# Altium PCB HIL_RIG_REV_1_2.PcbDoc (part 10 of 14) (continued)
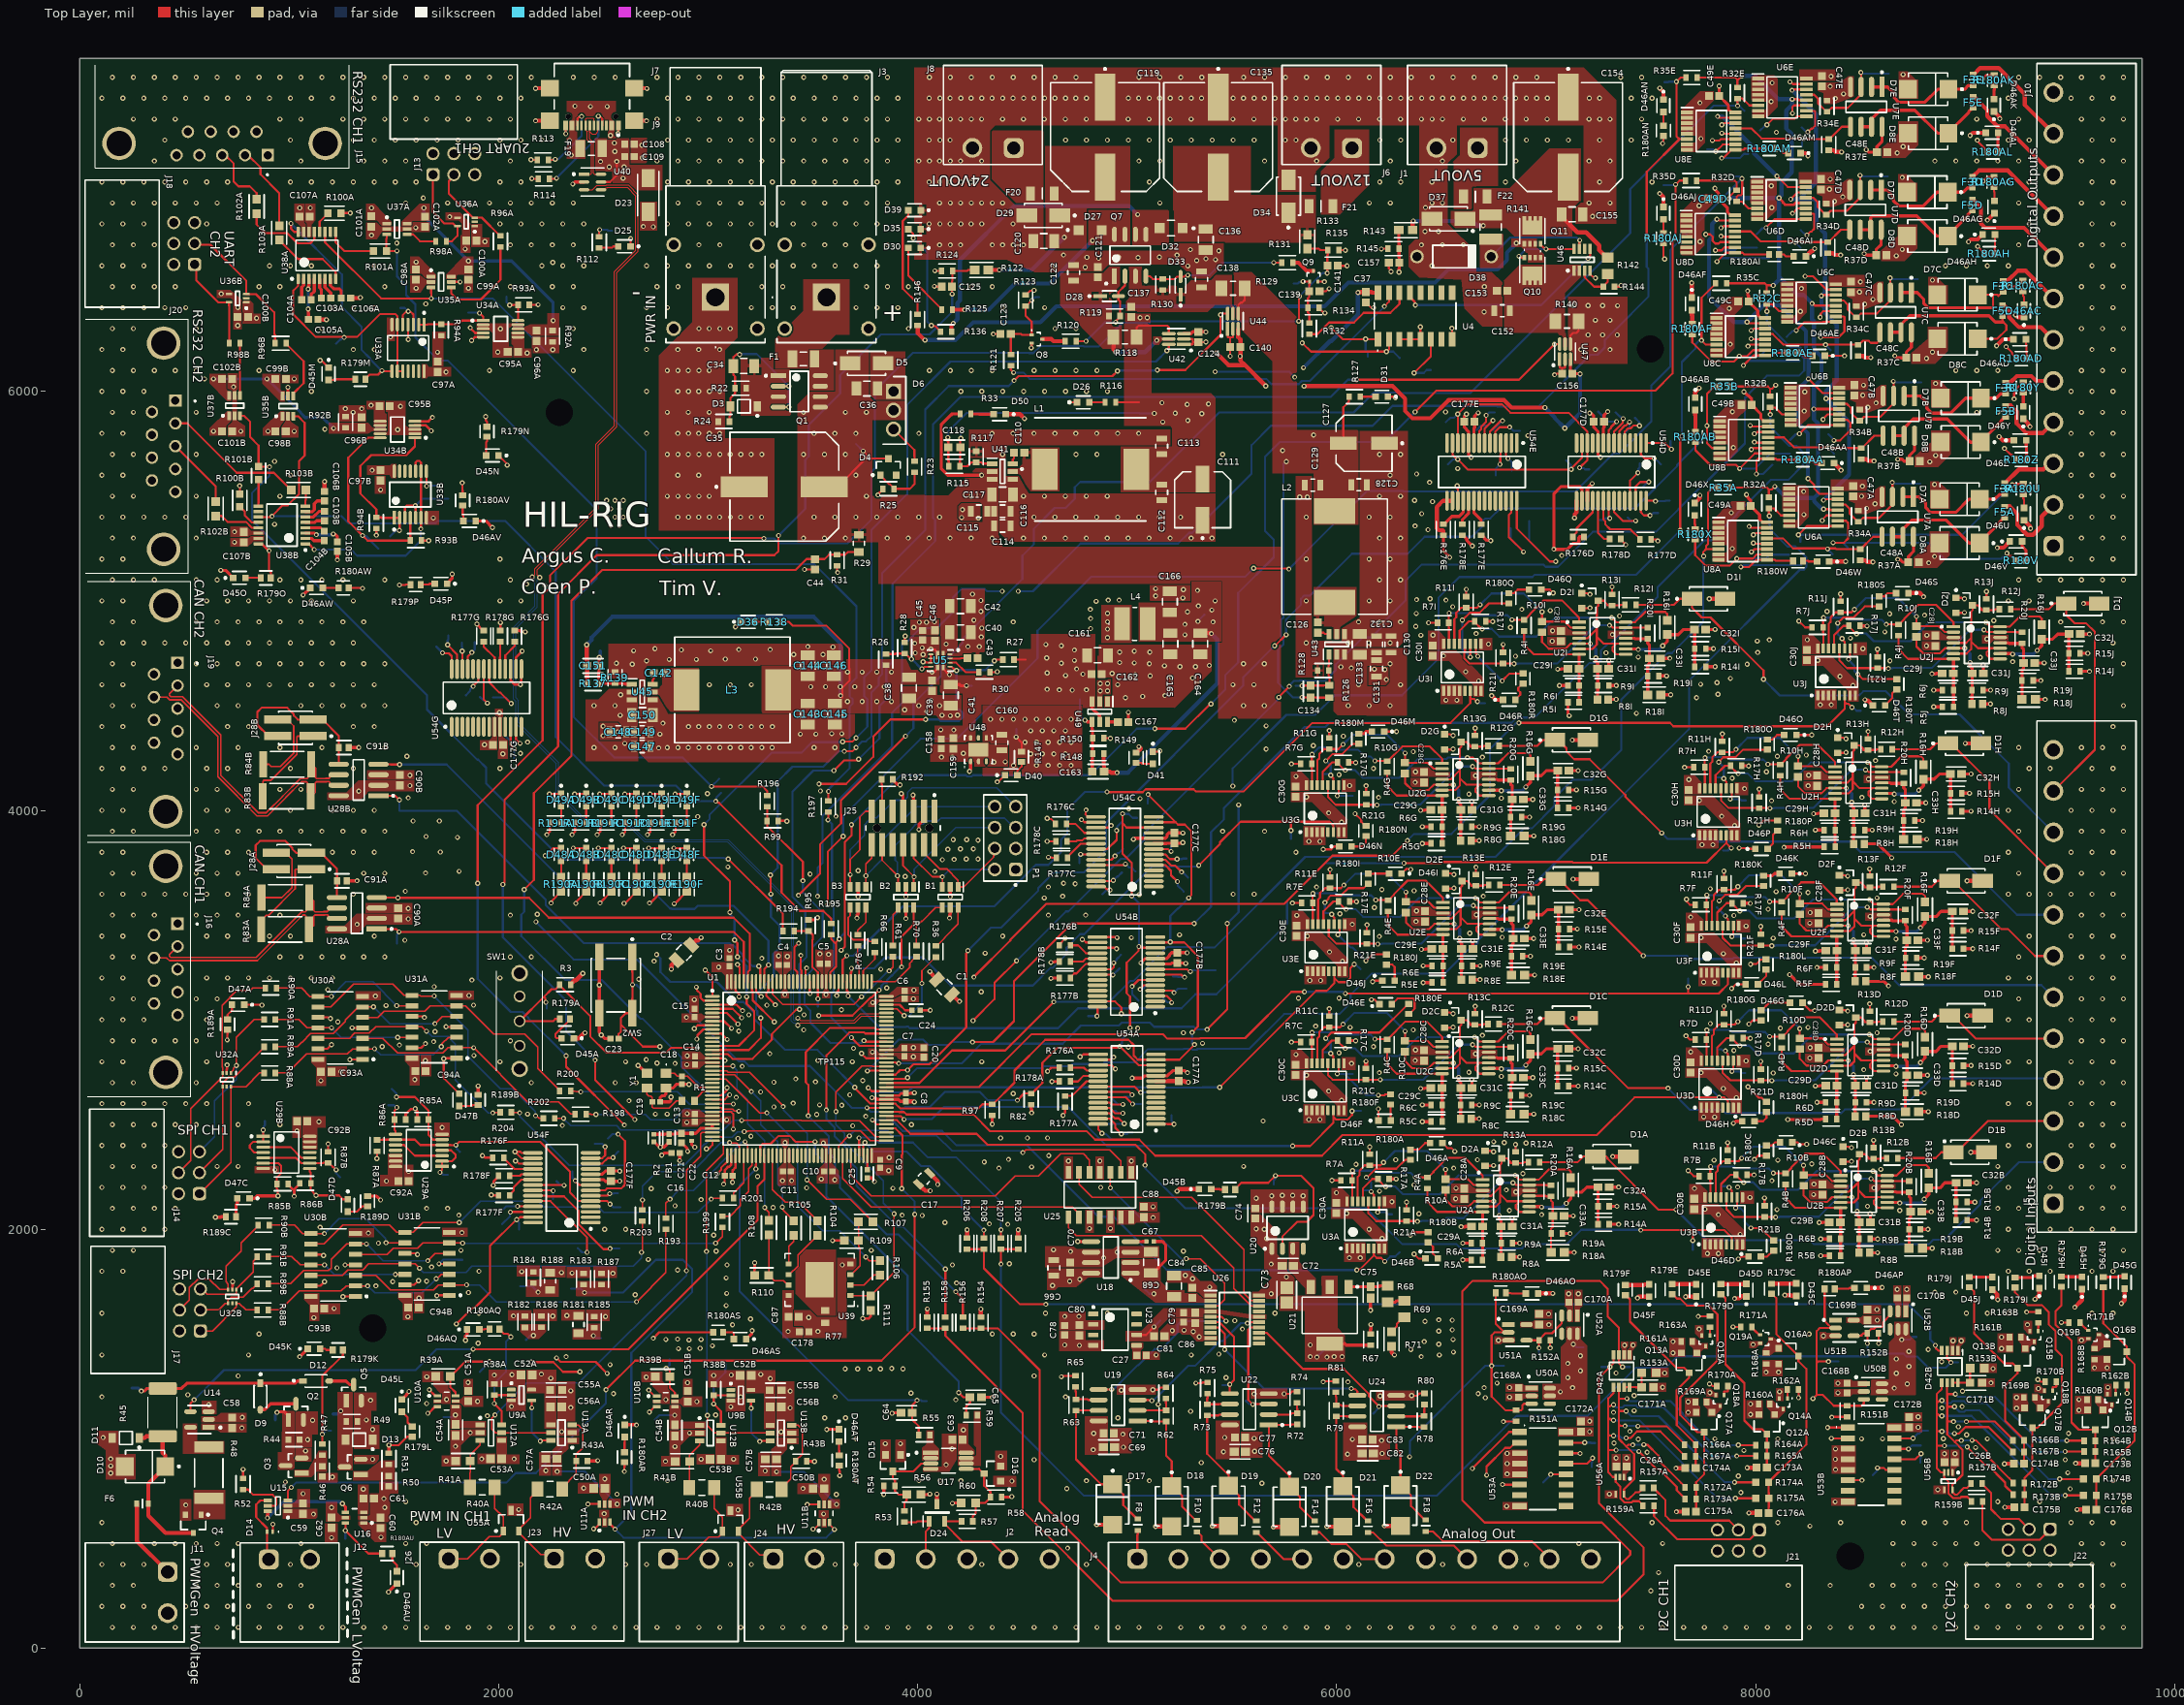
[diagram p0: Top Layer view]
## Nets (pads, with @x,y where several pads share a name; then routed paths per layer and width w, separated by ;. In a path a pad name is that pad's centre, name@x,y a point inside that pad or via, vN(x,y) a via of type N, cw(c..) or ccw(c..) an arc to the next point about the centre after c; other vN are vias at no path point) (continued)
IOex_INTBA: R178A.2 U54A.19 | length 144.5
  Top Layer w10: R178A.2@4728.64,2706 4764.94,2706 4791.72,2732.79 U54A.19@4862,2732.79
IOex_INTBB: R178B.2 U54B.19 | length 136.2
  Top Layer w10: R178B.2@4728.64,3278 4788.73,3278 4803.51,3292.79 U54B.19@4858.76,3292.79
IOex_INTBC: R178C.2 U54C.19 | length 144.9
  Top Layer w10: R178C.2@4712.64,3852 4756.67,3852 4761.87,3857.2 4786.57,3857.2 4796.16,3866.79 U54C.19@4851.41,3866.79
IOex_INTBD: R178D.2 U54D.19 | length 220.6
  Top Layer w10: U54D.19@7247.69,5478 7247.69,5325.14 7276.83,5296 R178D.2@7303.36,5296
IOex_INTBE: R178E.2 U54E.19 | length 123.7
  Top Layer w15: R178E.2@6600,5366.64 6600,5387.61 6629.69,5417.29 U54E.19@6629.69,5478
IOex_INTBF: R178F.2 U54F.19 | length 113.9
  Top Layer w10: R178F.2@2052.64,2256 2101.73,2256 2108.51,2262.79 U54F.19@2163.76,2262.79
IOex_INTBG: R178G.2 U54G.19 | length 131.3
  Top Layer w10: U54G.19@2005.98,4674.8 2005.98,4730.04 2007.79,4731.85 R178G.2@2007.79,4805.36
IOex_nRESETA: R176A.1 U54A.18 | length 139
  Top Layer w10: R176A.1@4728.64,2772 4793.13,2772 4806.76,2758.38 U54A.18@4862,2758.38
IOex_nRESETB: R176B.1 U54B.18 | length 145.7
  Top Layer w10: R176B.1@4728.64,3356 4765.89,3356 4803.51,3318.38 U54B.18@4858.76,3318.38
IOex_nRESETC: R176C.1 U54C.18 | length 158.8
  Top Layer w10: R176C.1@4710.64,3936 4752.54,3936 4796.16,3892.38 U54C.18@4851.41,3892.38
IOex_nRESETD: R176D.1 U54D.18 | length 211.2
  Top Layer w10: R176D.1@7127.36,5306 7127.36,5309.02 7145.98,5327.64 7145.98,5346.64 7222.1,5422.76 U54D.18@7222.1,5478
IOex_nRESETE: R176E.1 U54E.18 | length 172.6
  Top Layer w15: R176E.1@6510,5366.64 6513.02,5366.64 6550.39,5404.01 6585.35,5404.01 6604.1,5422.76 U54E.18@6604.1,5478
IOex_nRESETF: R176F.1 U54F.18 | length 163.4
  Top Layer w10: R176F.1@2024.64,2342 2024.64,2338.98 2075.62,2288 2108.14,2288 2108.51,2288.38 U54F.18@2163.76,2288.38
IOex_nRESETG: R176G.1 U54G.18 | length 149
  Top Layer w10: U54G.18@2031.57,4674.8 2031.57,4739.96 2076,4784.39 R176G.1@2076,4805.36
LED_B_0: R191A.1 U1.2 | length 1570.8
  Top Layer w10: v1(2230,3884) 2244.72,3898.72 R191A.1@2244.72,3940 ; v1(2944,3156) 2946.68,3153.32 2946.68,3141.32 2964,3124 2964,3104.68 2976.57,3092.11 U1.2@3020,3092.11
  Int3 (Sign) w10: v1(2230,3884) 2197.08,3851.08 2197.08,3795.72 2197,3795.64 2197,3773.64 2310.64,3660 2812,3660 2910,3562 2910,3510 2858,3458 2858,3284 2944,3198 v1(2944,3156)
LED_B_1: R191B.1 U1.1 | length 1291.1
  Top Layer w10: v1(2350,3884) 2364.72,3898.72 R191B.1@2364.72,3940 ; v1(2986,3238) 3020,3204 U1.1@3020,3111.79
  Int3 (Sign) w10: v1(2350,3884) 2352.68,3881.32 2352.68,3871.32 2516,3708 2822,3708 2941,3589 2941,3283 2964,3260 v1(2986,3238)
LED_B_2: R191C.1 U1.142 | length 1361
  Top Layer w10: v1(2470,3884) 2484.72,3898.72 R191C.1@2484.72,3940 ; U1.142@3130.24,3182.66 3130.24,3139.23 3148,3121.46 v1(3148,3110)
  Int3 (Sign) w10: v1(2470,3884) 2598,3756 2878,3756 3011,3623 3011,3247 v1(3148,3110)
LED_B_3: R191D.1 U1.141 | length 1133.2
  Top Layer w10: v1(2590,3884) 2604.72,3898.72 R191D.1@2604.72,3940 ; v1(3140,3264) 3140,3260.21 3149.92,3250.29 U1.141@3149.92,3182.66
  Int3 (Sign) w10: v1(2590,3884) 2684,3790 2914,3790 3058,3646 3058,3340.64 3091.64,3307 3097,3307 v1(3140,3264)
LED_B_4: R191E.1 U1.137 | length 1253.6
  Top Layer w10: v1(2710,3884) 2724.72,3898.72 R191E.1@2724.72,3940 ; U1.137@3228.66,3182.66 3228.66,3135.73 v1(3253.15,3111.24)
  Int3 (Sign) w10: v1(2710,3884) 2776,3884 2804,3856 2929.59,3856 3217,3568.59 3217,3245.64 3253.15,3209.49 v1(3253.15,3111.24)
LED_B_5: R191F.1 U1.134 | length 1498.3
  Top Layer w10: v1(2830,3884) 2844.72,3898.72 R191F.1@2844.72,3940 ; U1.134@3287.72,3182.66 3287.72,3139.23 3278,3129.51 3278,3114 v1(3320,3072)
  Int3 (Sign) w10: v1(2830,3884) 2852,3906 3239.36,3906 3333,3812.36 3333,3443.64 3320,3430.64 3320,3324.08 3310.94,3315.02 3310.94,3294.3 3320,3285.24 v1(3320,3072)
LED_R_0: R190A.1 U1.9 | length 1458
  Top Layer w10: v1(2250,3558) 2252.68,3560.68 2252.68,3566.69 2298,3612.01 R190A.1@2298,3614.88 ; v1(2946,2908) 2948.68,2910.68 2948.68,2926.43 2976.57,2954.31 U1.9@3020,2954.31
  Int3 (Sign) w10: v1(2250,3558) 2250,3034 2384,2900 2934.21,2900 2942.21,2908 v1(2946,2908)
LED_R_1: R190B.1 U1.8 | length 1235.4
  Top Layer w10: v1(2368,3556) 2370.68,3558.68 2370.68,3564.69 2418,3612.01 R190B.1@2418,3614.88 ; v1(2934,2958) 2950,2974 U1.8@3020,2974
  Int3 (Sign) w10: v1(2368,3556) 2368,3140 2557,2951 2594.36,2951 2601.36,2958 v1(2934,2958)
LED_R_2: R190C.1 U1.7 | length 1295
  Top Layer w10: v1(2484,3558) 2538,3612.01 R190C.1@2538,3614.88 ; U1.7@3020,2993.68 3076.32,2993.68 3110.51,2959.49 v1(3111.47,2959.49)
  Int3 (Sign) w10: v1(2484,3558) 2484,3196.81 2489.86,3190.95 2490.68,3190.95 2505.33,3176.31 2505.33,3164.67 2687.3,2982.7 2762.68,2982.7 2762.97,2983 2944.36,2983 2987.36,2940 3091.98,2940 v1(3111.47,2959.49)
LED_R_3: R190D.1 U1.5 | length 1245.8
  Top Layer w10: v1(2598,3556) 2600.68,3558.68 2604.67,3558.68 2658,3612.01 R190D.1@2658,3614.88 ; U1.5@3020,3033.05 3063.43,3033.05 3063.51,3033.13 3088.87,3033.13 v1(3142,2980)
  Int3 (Sign) w10: v1(2598,3556) 2598,3158 2719,3037 2912.98,3037 2955.98,2994 3111.36,2994 3124.59,2980.77 3141.23,2980.77 v1(3142,2980)
LED_R_4: R190E.1 U1.4 | length 1154.4
  Top Layer w10: v1(2720,3558) 2722.68,3560.68 2726.67,3560.68 2778,3612.01 R190E.1@2778,3614.88 ; U1.4@3020,3052.74 3117.26,3052.74 v1(3160,3010)
  Int3 (Sign) w10: v1(2720,3558) 2694,3532 2694,3200 2812,3082 2898,3082 2924.78,3055.22 3024.65,3055.22 3063.86,3016 3150.21,3016 3156.21,3010 v1(3160,3010)
LED_R_5: R190F.1 U1.3 | length 1045.8
  Top Layer w10: v1(2838,3554) 2839.99,3554 2898,3612.01 R190F.1@2898,3614.88 ; U1.3@3020,3072.42 3135.58,3072.42 v1(3164,3044)
  Int3 (Sign) w10: v1(2838,3554) 2798,3514 2798,3196.64 2873.64,3121 3049,3121 3126,3044 v1(3164,3044)
LED_TOP: D40.2 R147.2 | length 73.5
  Top Layer w10: D40.2@4476,4168 4476,4191.75 4478.45,4191.75 4496,4209.3 R147.2@4496,4231.77
Level_shifter_DIR: R52.2 U15.5 | length 249.3
  Top Layer w10: R52.2@780,757.36 803.99,757.36 828.67,732.68 921.32,732.68 939,715 939,685.86 933.14,680 U15.5@897.77,680
Level_shifter_OUT: D14.2 J12.1 U15.4 | length 351.2
  Top Layer w10: U15.4@897.77,705.59 861.59,705.59 842,686 842,626.06 894.22,573.84 D14.2@894.22,556 894.22,432.93 J12.1@903.15,424
LV_V_Select: TP111.1 U15.6 U16.4 | length 473.7
  Top Layer w15: v1(896,622) 896,635.78 897.77,637.55 U15.6@897.77,654.41 ; v1(1254,690) 1268.69,675.31 U16.4@1268.69,649.59
  Bottom Layer w15: v1(896,622) TP111.1@973.5,699.5 1242.06,699.5 1251.56,690 v1(1254,690)
MCU_SCL_INT: R82.1 TP28.1 TP47A.1 TP47B.1 TP47C.1 TP47D.1 TP47E.1 TP47F.1 TP47G.1 TP114.1 U1.81 U54A.12 U54B.12 U54C.12 U54D.12 U54E.12 U54F.12 U54G.12 | length 12194.2
  Top Layer w10: U54G.12@2057.16,4399.2 2057.16,4310.84 v1(2074,4294) ; U54F.12@2439.35,2313.97 2494.59,2313.97 2520.62,2340 2544,2340 v1(2546,2342) ; v1(3758,2580) 3806.98,2580 3807.28,2580.3 U1.81@3850.71,2580.3 ; v1(4476,2616) 4508.64,2648.64 R82.1@4542,2648.64 4545.02,2648.64 4595,2698.62 4595,2795 4666,2866 4952.21,2866 4960.21,2874 v1(4964,2874) 5054.03,2783.97 U54A.12@5137.59,2783.97 ; v1(4978,3984) 4978,3938 ; v1(5014,2962) 5014,3111.33 4998,3127.33 4998,3272.87 5055.13,3330 5055.13,3349.13 v1(5056,3350) ; v1(5022,3592) 5022,3749.36 4978,3793.36 4978,3938 ; v1@5059.47,3346.53 5060.27,3347.32 5062.47,3347.32 5065.82,3343.97 5133.28,3343.97 U54B.12@5133.81,3343.43 ; U54C.12@5127,3917.97 4998.03,3917.97 4978,3938 ; U54E.12@6578.5,5753.59 6578.5,5891.5 v1(6578,5892) 6624,5938 6790.21,5938 6830.21,5898 7107.34,5898 7196.5,5808.84 U54D.12@7196.5,5753.59 7196.5,5672.5 v1(7160,5636)
  Int3 (Sign) w10: v1(2074,4294) 2074,3572 v1(2178,3468) ; v1(2546,2342) 2549.36,2342 2634.13,2257.23 2634.13,2241.87 2822,2054 3536,2054 3798,2316 3798,2399.36 3727,2470.36 3727,2550.36 3756.64,2580 v1(3758,2580) ; v1(4978,3984) 4978,4270.89 5183.37,4476.26 5312.26,4476.26 5476,4640 5530.36,4640 5679,4788.64 5679,4796.36 5857.64,4975 5865.36,4975 6058.36,5168 6384,5168 6540,5324 6540,5673.36 6593.04,5726.4 6593.04,5876.96 v1(6578,5892)
  Bottom Layer w10: TP47G.1@2074,4248 v1(2074,4294) ; v1(2178,3468) 2358,3288 2660,3288 3145,2803 3172.36,2803 3195.36,2780 3485.36,2780 3669,2596.36 3685.06,2580.3 v1@3757.7,2580.3 ; v1(2546,2342) 2546,2345.79 2552.19,2351.98 2552.19,2352.19 TP47F.1@2572,2372 ; v1(3758,2580) 3776.75,2561.25 3917.89,2561.25 3939.64,2583 4057,2583 4130,2656 4296.11,2656 4336.11,2616 v1(4476,2616) ; v1(4964,2874) 4964,2877.79 4976,2889.79 TP47A.1@4976,2910 4995.81,2929.81 4995.81,2943.81 v1(5014,2962) ; v1(4978,3984) 4978.85,3983.15 5007.04,3983.15 5026.19,3964 TP47C.1@5046,3964 ; v1(5022,3592) 5056,3558 TP47B.1@5056,3474 v1(5056,3350) ; TP47E.1@6522,5854 6541.81,5873.81 6559.81,5873.81 v1(6578,5892) ; v1(7160,5636) 7161.81,5634.19 7180,5634.19 7186.19,5628 TP47D.1@7206,5628
MCU_SCLA: D42A.3 R154.1 R156.1 TP78A.1 | length 7195.7
  Top Layer w10: R156.1@4216,1527.36 R154.1@4302,1527.36 4382.64,1527.36 4582,1328 4582,702 4970,314 7270,314 7402,446 7402,464 7266,600 6706,600 6600,706 6600,1704 6650,1754 7256,1754 7294,1716 7294,1584 7346.82,1531.18 D42A.3@7346.82,1400 7346.82,1361.02 v1(7364.61,1343.23)
  Bottom Layer w10: v1(7364.61,1343.23) TP78A.1@7399.61,1343.23
MCU_SCLB: D42B.3 R205.1 R207.1 TP78B.1 | length 5979.6
  Top Layer w10: v1(4398,1834) R207.1@4398,1905.36 R205.1@4480,1905.36 ; D42B.3@8914.42,1421 8914.42,1382.02 v1(8932.22,1364.23)
  Bottom Layer w10: v1(4398,1834) 4398,1124 4794,728 6477.36,728 6858.36,1109 7197.65,1109 7427.65,1339 7570.36,1339 7625.36,1394 8536.86,1394 8548.86,1406 8707.25,1406 8721.25,1392 8772.19,1392 8824.96,1339.23 8907.22,1339.23 v1(8932.22,1364.23) TP78B.1@8967.22,1364.23
MCU_SDA_INT: R97.1 TP104.1 TP115.1 TP116A.1 TP116B.1 TP116C.1 TP116D.1 TP116E.1 TP116F.1 TP116G.1 U1.82 U54A.13 U54B.13 U54C.13 U54D.13 U54E.13 U54F.13 U54G.13 | length 11780.2
  Top Layer w10: U54G.13@2082.75,4399.2 2082.75,4339.25 v1(2102,4320) ; U54F.13@2439.35,2339.56 2494.59,2339.56 2508,2352.97 v1(2508,2394) ; v1(3700,2678) 3700,2674.64 3774.66,2599.98 U1.82@3850.71,2599.98 3894.14,2599.98 3916.12,2578 4290.98,2578 4309.62,2596.64 R97.1@4356,2596.64 4359.02,2596.64 4462,2699.62 4462,2758 4609,2905 5006.35,2905 5031,2880.36 5031,2829.63 5051.07,2809.56 U54A.13@5137.59,2809.56 5249.56,2809.56 v1(5322,2882) ; v1(5100,4076) 5100,4075.12 5231.56,3943.56 ; U54C.13@5127,3943.56 5231.56,3943.56 ; U54B.13@5134.35,3369.56 5272.44,3369.56 5338,3304 5338,2968 v1(5310,2940) ; v1(5294,3582) 5294,3582.86 5306,3594.86 5306,3902 5276,3932 5243.12,3932 5231.56,3943.56 ; U54E.13@6552.91,5753.59 6552.91,5698.35 v1@6576.63,5674.63 ; v1(6578,5676) 6628,5626 7118,5626 v1(7120,5628) 7120,5631.36 7170.91,5682.27 U54D.13@7170.91,5753.59
  Int3 (Sign) w10: v1(2102,4320) 2160,4262 2160,3716 2276,3600 2713.36,3600 2754,3559.36 v1(2754,3312) ; v1(2508,2394) 2695.89,2394 2907.89,2182 3250,2182 3376,2308 3376,2356 3530,2510 3632,2510 3701,2579 3701,2677 v1(3700,2678) ; v1(5100,4076) 5530,4506 5530,4510.36 5569.64,4550 5590.36,4550 5705,4664.64 5705,4685.36 5844.64,4825 5847,4825 6097,5075 6215.36,5075 6272.36,5132 6514,5132 6618,5236 6618,5636 v1(6578,5676)
  Bottom Layer w10: TP116G.1@2032,4356 2068,4320 v1(2102,4320) ; TP116F.1@2458,2408 2493.72,2408 2507.72,2394 v1(2508,2394) ; v1(2754,3312) 2772,3294 TP104.1@2772,3228 2819,3181 3041.64,3181 3137.64,3085 3168.36,3085 3219,3034.36 3219,3005.47 3367.65,2856.81 3521.19,2856.81 v1(3700,2678) TP115.1@3641,2737 ; TP116C.1@5098,4034 5098,4053.81 5100,4055.81 v1(5100,4076) ; v1(5206,3372) TP116B.1@5206,3496 5241.81,3531.81 5243.81,3531.81 v1(5294,3582) ; v1(5310,2940) TP116A.1@5310,2908 5310,2888 5312.21,2888 5318.21,2882 v1(5322,2882) ; TP116E.1@6532,5652 6556,5676 v1(6578,5676) ; TP116D.1@7096,5670 7118,5648 7118,5630 v1(7120,5628)
MCU_SDAA: D42A.4 R155.1 R158.1 TP79A.1 | length 5509.1
  Top Layer w10: R155.1@4046,1527.36 R158.1@4132,1527.36 4132,1492 4502,1122 4502,656 4932,226 7338,226 7466,354 7466,480 7252,694 7252,1290.61 v1(7304.61,1343.23) 7321.23,1359.84 D42A.4@7321.23,1400
  Bottom Layer w10: TP79A.1@7264.61,1343.23 v1(7304.61,1343.23)
MCU_SDAB: D42B.4 R206.1 R208.1 TP79B.1 | length 4952.6
  Top Layer w10: R206.1@4236,1905.36 R208.1@4316,1905.36 4316,1814 4488,1642 v1(4612,1642) ; v1(8858,1446) 8860.68,1443.32 8860.68,1432.29 8871.97,1421 D42B.4@8888.83,1421
  Bottom Layer w10: v1(4612,1642) 8728.86,1642 8834,1536.86 TP79B.1@8834,1474 8853.81,1454.19 8853.81,1453.98 8858,1449.79 v1(8858,1446)
MCU_SPI_MISO_RAW_CH1: R198.2 U1.28 | length 898.6
  Top Layer w6.12: R198.2@2418.64,2550 2439.61,2550 2441.61,2548 v1(2464,2548) ; U1.28@3020,2580.3 3063.43,2580.3 3068.79,2574.94 3115.58,2574.94 3126,2564.53 3145.47,2564.53 v1(3146,2564)
  Bottom Layer w6.12: v1(2464,2548) 2700,2548 2726,2522 2836.98,2522 2890.45,2575.47 2909.55,2575.47 2921.02,2564 v1(3146,2564)
MCU_SPI_MISO_RAW_CH2: R193.2 U1.42 | length 643.2
  Top Layer w6.12: R193.2@2798,2053.28 2798,2124 v1(2818,2144) ; v1(3176,2418) 3176,2416.3 3189.29,2403.01 U1.42@3189.29,2351.95
  Bottom Layer w6.12: v1(2818,2144) 2858,2184 2930,2184 3052,2306 3052,2308 3160.14,2416.14 3174.14,2416.14 v1(3176,2418)
MCU_SPI_MOSI_RAW_CH1: R200.2 U1.27 | length 901.9
  Top Layer w6.12: R200.2@2344.64,2660 2365.61,2660 2369.61,2656 v1(2392,2656) ; U1.27@3020,2599.98 3118.02,2599.98 v1(3120,2598)
  Bottom Layer w6.12: v1(2392,2656) 2852,2656 2910,2598 v1(3120,2598)
MCU_SPI_MOSI_RAW_CH2: R199.2 U1.43 | length 369
  Top Layer w6.12: R199.2@3068,2062.64 3104.43,2062.64 3154,2112.21 3154,2142 3192.94,2180.94 3192.94,2288.94 3208.98,2304.98 U1.43@3208.98,2351.95
MCU_SPI_NCS_RAW_CH1: R204.2 U1.73 | length 1992.4
  Top Layer w6.12: R204.2@2060.64,2558 2098,2558 v1(2100,2556) ; v1@3172.52,2466 3173.69,2467.16 3188.55,2467.16 3190.45,2469.06 3727.35,2469.06 3773.59,2422.82 U1.73@3850.71,2422.82
  Bottom Layer w6.12: v1(2100,2556) 2101.86,2554.14 2101.86,2540.14 2337.06,2304.94 2884.94,2304.94 2968.94,2388.94 2968.94,2393.55 2982.45,2407.06 2987.06,2407.06 3020,2440 3114.61,2440 3140.61,2466 v1(3172,2466)
MCU_SPI_NCS_RAW_CH2: R203.2 U1.40 | length 714.3
  Top Layer w6.12: R203.2@2686,2093.28 v1(2686,2140) ; v1(3102,2414) 3105.12,2410.88 3135.12,2410.88 3149.92,2396.08 U1.40@3149.92,2351.95
  Bottom Layer w6.12: v1(2686,2140) 2686,2206 2756,2276 2924,2276 3062,2414 v1(3102,2414)
MCU_SPI_SCLK_RAW_CH1: R202.2 U1.74 | length 1658.8
  Top Layer w6.12: R202.2@2266.64,2530 v1(2310,2530) ; v1(3160,2520) 3445.13,2520 3446.19,2518.94 3723.06,2518.94 3799.5,2442.5 U1.74@3850.71,2442.5
  Bottom Layer w6.12: v1(2310,2530) 2310,2528 2344,2494 2562.61,2494 2581.67,2474.94 3073.55,2474.94 3118.61,2520 v1(3160,2520)
MCU_SPI_SCLK_RAW_CH2: R201.2 U1.41 | length 223.2
  Top Layer w6.12: R201.2@3120.64,2149.02 3120.64,2173.01 3169.61,2221.97 U1.41@3169.61,2351.95
MCU_TX_TO_STLINK_RX_unprot: B3.1 J25.14 P1.8 | length 1016.5
  Top Layer w8: B3.1@3752.8,3634.85 3752.8,3666.47 3753,3666.67 v1(3753,3688) 3753,3745.2 3780.4,3772.6 J25.14@3780.4,3835.52
  Bottom Layer w8: v1(3753,3688) 3830,3765 3830,3855 3993,4018 P1.8@4368,4018
MCU_UART_RX_CH1: R101A.1 R196.1 TP60.1 U37A.3 | length 3964.8
  Top Layer w10: U37A.3@1466.38,6749.75 1466.38,6732.89 1464,6730.51 R101A.1@1464,6670 1514,6670 v1(1514.49,6670.49) ; v1(3016,4114) 3259.61,4114 3282,4091.61 R196.1@3282,4070.64
  Bottom Layer w10: v1(1514.49,6670.49) 1514.49,6549.51 1558,6506 1558,6460 1602,6416 1602,6258.14 1712.14,6148 1756,6148 2468,5436 2468,5108 2358,4998 2358,4446 2552,4252 2878,4252 v1(3016,4114) TP60.1@3052,4150
MCU_UART_RX_CH2: R101B.1 R194.1 TP58.1 U37B.3 | length 4121
  Top Layer w10: U37B.3@765.25,5883.88 785.12,5883.88 814,5855 814,5781.86 854,5741.86 R101B.1@854,5641.16 904.84,5641.16 v1(906,5640) ; v1(3096,3768) 3356.72,3507.28 R194.1@3356.72,3424
  Bottom Layer w10: v1(906,5640) 906,5598 822,5514 822,5386 1658,4550 1658,4481.74 1897.74,4242 1902,4242 1939.81,4204.19 1939.81,4128.19 2223,3845 2303.55,3764.45 2845.46,3764.45 2855.01,3774 TP58.1@3054,3774 3073.81,3774 3077.13,3770.68 3093.32,3770.68 v1(3096,3768)
MCU_UART_RX_RAW_CH1: R99.1 R196.2 TP61.1 U1.97 | length 1597.2
  Top Layer w10: R196.2@3282,4017.36 3282,3996.39 3281.36,3995.75 R99.1@3281.36,3950 3281.36,3925.29 3452,3754.64 v1(3452,3664) ; v1(3744,2900.57) 3747.79,2900.57 3753.1,2895.26 U1.97@3850.71,2895.26
  Bottom Layer w10: v1(3452,3664) 3452,3608 3547.08,3512.92 3547.08,3397.08 3498,3348 3498,3240.64 3461,3203.64 3461,3071 3488,3044 3488,2986.64 TP61.1@3584.64,2890 3731.14,2890 3741.72,2900.57 v1(3744,2900.57)
MCU_UART_RX_RAW_CH2: R95.1 R194.2 TP59.1 U1.122 | length 450.2
  Top Layer w10: R194.2@3410,3424 R95.1@3478,3424 3481.02,3424 3499.64,3405.38 3499.64,3383.64 3498,3382 3498,3252.03 3523.94,3226.09 U1.122@3523.94,3182.66 3523.94,3100.06 v1(3524,3100)
  Bottom Layer w10: TP59.1@3524,3064 v1(3524,3100)
MCU_UART_TX_CH1: R197.1 TP107.1 U35A.3 U38A.11 | length 4596
  Top Layer w10: U38A.11@1170.88,6761.85 1170.88,6711.84 1438.72,6444 v1(1678,6444) 1678,6469.3 1677.3,6470 U35A.3@1677.3,6497.07 ; R197.1@3574,4045.28 v1(3574,4090.64)
  Bottom Layer w10: v1(1678,6444) 1972,6444 2702,5714 2702,5306 2832,5176 3506,5176 3708,4974 3708,4633.36 3675,4600.36 3675,4545.36 3690,4530.36 3690,4509.64 3675,4494.64 3675,4201 3574,4100 v1(3574,4090.64)
MCU_UART_TX_CH2: R195.1 TP105.1 U35B.3 U38B.11 | length 4748.3
  Top Layer w10: U38B.11@853.15,5400.38 910.59,5400.38 914.21,5404 v1(918,5404) 918,5406 968.53,5456.53 993.3,5456.53 1047.16,5510.39 1047.16,5666.77 1074,5693.61 1074,5850 1042.23,5881.77 U35B.3@1019.59,5881.77 ; v1(3036.32,4043.68) 3040.11,4043.68 3047.79,4036 3052,4036 3350,3738 3350,3608 3438,3520 3550,3520 3588,3482 R195.1@3588,3459.28
  Bottom Layer w10: v1(918,5404) 1250.57,5404 1285.31,5369.26 1658,5369.26 1659.74,5371 1698.36,5371 1709.36,5382 2030,5382 2272,5140 2272,4350 2504,4118 2846,4118 2920.32,4043.68 v1(3036.32,4043.68) 3039,4046.36 3039,4061 TP105.1@3062,4084
MCU_UART_TX_RAW_CH1: R197.2 TP108.1 U1.96 | length 1318.5
  Top Layer w10: v1(3572,3954.64) 3574,3954.64 R197.2@3574,3992 ; v1(3684,2915) 3723.43,2875.57 U1.96@3850.71,2875.57
  Bottom Layer w10: v1(3572,3954.64) 3591,3935.64 3591,3568.36 3599.79,3559.57 3599.79,3137.14 3587.61,3124.97 3587.61,3011.39 3610.5,2988.5 v1(3684,2915)
MCU_UART_TX_RAW_CH2: R195.2 TP106.1 U1.119 | length 314
  Top Layer w10: U1.119@3582.99,3182.66 3582.99,3226.09 3610,3253.1 3610,3363.03 ; R195.2@3588,3406 3588,3385.03 3610,3363.03 ; v1(3626,3386) 3610,3370 3610,3363.03
  Bottom Layer w10: v1(3626,3386) 3626,3389.79 3632.19,3395.98 3632.19,3396.19 TP106.1@3652,3416
MUX_Out_1A: R34A.2 TP15A.1 U6A.13 U7A.3 | length 583.2
  Top Layer w10: U6A.13@8392.88,5459.44 8429.92,5459.44 8449.69,5439.67 8449.69,5416.51 8488.09,5378.11 R34A.2@8491.11,5378.11 8494.13,5378.11 8512.75,5396.74 8589.92,5396.74 8653.52,5460.33 U7A.3@8653.52,5496.69 8653.52,5564.51 v1(8652.14,5565.88)
  Bottom Layer w10: v1(8652.14,5565.88) 8655.93,5565.88 8661.48,5560.33 TP15A.1@8784.96,5560.33
MUX_Out_1B: R34B.2 TP15B.1 U6B.13 U7B.3 | length 583.2
  Top Layer w10: U6B.13@8398.07,5941.63 8435.11,5941.63 8454.88,5921.86 8454.88,5898.7 8493.28,5860.3 R34B.2@8496.3,5860.3 8499.32,5860.3 8517.94,5878.92 8595.11,5878.92 8658.71,5942.52 U7B.3@8658.71,5978.88 8658.71,6046.69 v1(8657.33,6048.07)
  Bottom Layer w10: v1(8657.33,6048.07) 8661.12,6048.07 8666.67,6042.52 TP15B.1@8790.15,6042.52
MUX_Out_1C: R34C.2 TP15C.1 U6C.13 U7C.3 | length 583.2
  Top Layer w10: U6C.13@8382.9,6434.99 8419.93,6434.99 8439.71,6415.22 8439.71,6392.06 8478.11,6353.66 R34C.2@8481.13,6353.66 8484.15,6353.66 8502.77,6372.28 8579.94,6372.28 8643.54,6435.88 U7C.3@8643.54,6472.24 8643.54,6540.05 v1(8642.16,6541.43)
  Bottom Layer w10: v1(8642.16,6541.43) 8645.95,6541.43 8651.5,6535.88 TP15C.1@8774.98,6535.88
MUX_Out_1D: R34D.2 TP15D.1 U6D.13 U7D.3 | length 583.2
  Top Layer w10: U6D.13@8238.9,6924.99 8275.93,6924.99 8295.71,6905.22 8295.71,6882.06 8334.11,6843.66 R34D.2@8337.13,6843.66 8340.15,6843.66 8358.77,6862.28 8435.94,6862.28 8499.54,6925.88 U7D.3@8499.54,6962.24 8499.54,7030.05 v1(8498.16,7031.43)
  Bottom Layer w10: v1(8498.16,7031.43) 8501.95,7031.43 8507.5,7025.88 TP15D.1@8630.98,7025.88
MUX_Out_1E: R34E.2 TP15E.1 U6E.13 U7E.3 | length 583.2
  Top Layer w10: U6E.13@8242.79,7416.44 8279.82,7416.44 8299.6,7396.67 8299.6,7373.51 8337.99,7335.11 R34E.2@8341.01,7335.11 8344.03,7335.11 8362.66,7353.74 8439.83,7353.74 8503.42,7417.33 U7E.3@8503.42,7453.69 8503.42,7521.51 v1(8502.05,7522.88)
  Bottom Layer w10: v1(8502.05,7522.88) 8505.84,7522.88 8511.39,7517.33 TP15E.1@8634.87,7517.33
MUX_Out_2A: R37A.2 TP109A.1 U7A.5 U8A.13 | length 631
  Top Layer w10: U8A.13@8054.65,5298.61 8130.49,5298.61 8178.33,5250.77 8377.87,5250.77 8378.1,5251 8381.88,5251 8385.36,5247.52 8502.16,5247.52 8561.28,5306.64 U7A.5@8603.52,5306.64
  Bottom Layer w10: v1(8344.14,5247.88) 8344.14,5245.56 TP109A.1@8368.14,5221.56
MUX_Out_2B: R37B.2 TP109B.1 U7B.5 U8B.13 | length 626.1
  Top Layer w10: U8B.13@8059.84,5780.8 8135.68,5780.8 8183.52,5732.96 v1@8349.33,5732.96 ; v1@8349.69,5729.71 R37B.2@8504.33,5729.71 ; R37B.2@8507.35,5729.71 8566.47,5788.83 U7B.5@8608.71,5788.83
  Bottom Layer w10: v1(8349.33,5730.07) 8349.33,5727.75 TP109B.1@8373.33,5703.75
MUX_Out_2C: R37C.2 TP109C.1 U7C.5 U8C.13 | length 660.5
  Top Layer w10: U8C.13@8044.67,6274.15 8081.7,6274.15 8132.43,6223.43 v1(8334.16,6223.43) 8334.52,6223.07 R37C.2@8489.16,6223.07 8492.18,6223.07 8510.8,6241.69 8539.92,6241.69 8550.1,6231.52 8579.22,6231.52 8593.54,6245.83 U7C.5@8593.54,6282.19
  Bottom Layer w10: v1(8334.16,6223.43) 8334.16,6221.11 TP109C.1@8358.16,6197.11
MUX_Out_2D: R37D.2 TP109D.1 U7D.5 U8D.13 | length 631
  Top Layer w10: U8D.13@7900.67,6764.15 7976.5,6764.15 8024.34,6716.32 8223.88,6716.32 8224.11,6716.54 8227.9,6716.54 8231.37,6713.07 8348.18,6713.07 8407.3,6772.19 U7D.5@8449.54,6772.19
  Bottom Layer w10: v1(8190.16,6713.43) 8190.16,6711.11 TP109D.1@8214.16,6687.11
MUX_Out_2E: R37E.2 TP109E.1 U7E.5 U8E.13 | length 635.2
  Top Layer w10: U8E.13@7904.56,7255.61 7980.39,7255.61 8028.23,7207.77 8227.77,7207.77 v1(8228,7208) 8231.79,7208 8235.26,7204.52 8352.07,7204.52 8411.19,7263.64 U7E.5@8453.42,7263.64
  Bottom Layer w10: TP109E.1@8222,7170 8222,7198.21 8228,7204.21 v1(8228,7208)
N_DI_3V3_compA: R4A.2 R7A.1 TP3A.1 U2A.1 U3A.15 | length 875.3
  Top Layer w10: U3A.15@6075.02,2133.02 6075.02,2209.14 6074.38,2209.79 R7A.1@6074.38,2233.77 6074.38,2278.28 v1(6075.89,2279.79) ; v1(6376,2248) 6409.47,2248 6410.01,2247.46 R4A.2@6434,2247.46 R4A.2@6433.73,2247.73 ; R4A.2@6437.02,2247.46 6462.26,2272.7 6462.26,2275.5 6527.59,2340.82 6614,2340.82 6696.66,2258.16 U2A.1@6696.66,2236.57
  Bottom Layer w10: v1(6075.89,2279.79) 6187.89,2279.79 6197.89,2269.79 TP3A.1@6325.89,2269.79 6354.21,2269.79 v1(6376,2248)
N_DI_3V3_compB: R4B.2 R7B.1 TP3B.1 U2B.1 U3B.15 | length 875.3
  Top Layer w10: U3B.15@7784.02,2153.02 7784.02,2229.14 7783.38,2229.79 R7B.1@7783.38,2253.77 7783.38,2298.28 v1(7784.89,2299.79) ; v1(8085,2268) 8118.47,2268 8119.01,2267.46 R4B.2@8143,2267.46 R4B.2@8142.73,2267.73 ; R4B.2@8146.02,2267.46 8171.26,2292.7 8171.26,2295.5 8236.59,2360.82 8323,2360.82 8405.66,2278.16 U2B.1@8405.66,2256.57
  Bottom Layer w10: v1(7784.89,2299.79) 7896.89,2299.79 7906.89,2289.79 TP3B.1@8034.89,2289.79 8063.21,2289.79 v1(8085,2268)
N_DI_3V3_compC: R4C.2 R7C.1 TP3C.1 U2C.1 U3C.15 | length 866.4
  Top Layer w10: U3C.15@5882.02,2793.02 5882.02,2869.14 5881.38,2869.79 R7C.1@5881.38,2893.77 5881.38,2938.28 v1(5882.89,2939.79) ; v1(6183,2908) 6216.47,2908 6217.01,2907.46 R4C.2@6241,2907.46 R4C.2@6240.73,2907.73 ; R4C.2@6244.02,2907.46 6328.56,2992 6429.82,2992 6503.66,2918.16 U2C.1@6503.66,2896.57
  Bottom Layer w10: v1(5882.89,2939.79) 5994.89,2939.79 6004.89,2929.79 TP3C.1@6132.89,2929.79 6161.21,2929.79 v1(6183,2908)
N_DI_3V3_compD: R4D.2 R7D.1 TP3D.1 U2D.1 U3D.15 | length 875.3
  Top Layer w10: U3D.15@7766.02,2805.02 7766.02,2881.14 7765.38,2881.79 R7D.1@7765.38,2905.77 7765.38,2950.28 v1(7766.89,2951.79) ; v1(8067,2920) 8100.47,2920 8101.01,2919.46 R4D.2@8125,2919.46 R4D.2@8124.73,2919.73 ; R4D.2@8128.02,2919.46 8153.26,2944.7 8153.26,2947.5 8218.59,3012.82 8305,3012.82 8387.66,2930.16 U2D.1@8387.66,2908.57
  Bottom Layer w10: v1(7766.89,2951.79) 7878.89,2951.79 7888.89,2941.79 TP3D.1@8016.89,2941.79 8045.21,2941.79 v1(8067,2920)
N_DI_3V3_compE: R4E.2 R7E.1 TP3E.1 U2E.1 U3E.15 | length 875.3
  Top Layer w10: U3E.15@5886.02,3457.02 5886.02,3533.14 5885.38,3533.79 R7E.1@5885.38,3557.77 5885.38,3602.28 v1(5886.89,3603.79) ; v1(6187,3572) 6220.47,3572 6221.01,3571.46 R4E.2@6245,3571.46 R4E.2@6244.73,3571.73 ; R4E.2@6248.02,3571.46 6273.26,3596.7 6273.26,3599.5 6338.59,3664.82 6425,3664.82 6507.66,3582.16 U2E.1@6507.66,3560.57
  Bottom Layer w10: v1(5886.89,3603.79) 5998.89,3603.79 6008.89,3593.79 TP3E.1@6136.89,3593.79 6165.21,3593.79 v1(6187,3572)
N_DI_3V3_compF: R4F.2 R7F.1 TP3F.1 U2F.1 U3F.15 | length 875.3
  Top Layer w10: U3F.15@7766.02,3449.02 7766.02,3525.14 7765.38,3525.79 R7F.1@7765.38,3549.77 7765.38,3594.28 v1(7766.89,3595.79) ; v1(8067,3564) 8100.47,3564 8101.01,3563.46 R4F.2@8125,3563.46 R4F.2@8124.73,3563.73 ; R4F.2@8128.02,3563.46 8153.26,3588.7 8153.26,3591.5 8218.59,3656.82 8305,3656.82 8387.66,3574.16 U2F.1@8387.66,3552.57
  Bottom Layer w10: v1(7766.89,3595.79) 7878.89,3595.79 7888.89,3585.79 TP3F.1@8016.89,3585.79 8045.21,3585.79 v1(8067,3564)
N_DI_3V3_compG: R4G.2 R7G.1 TP3G.1 U2G.1 U3G.15 | length 880.3
  Top Layer w10: U3G.15@5882.02,4121.02 5882.02,4197.14 5881.38,4197.79 R7G.1@5881.38,4221.77 5881.38,4266.28 v1(5882.89,4267.79) ; v1(6183,4236) 6216.47,4236 6217.01,4235.46 R4G.2@6241,4235.46 ; R4G.2@6244.02,4235.46 6313.56,4305 6444.82,4305 6503.66,4246.16 U2G.1@6503.66,4224.57
  Bottom Layer w10: v1(5882.89,4267.79) 5915.1,4300 5962.69,4300 5972.69,4290 6100.69,4290 TP3G.1@6132.89,4257.79 6161.21,4257.79 v1(6183,4236)
N_DI_3V3_compH: R4H.2 R7H.1 TP3H.1 U2H.1 U3H.15 | length 878
  Top Layer w10: U3H.15@7758.02,4105.02 7758.02,4181.14 7757.38,4181.79 R7H.1@7757.38,4205.77 7757.38,4250.28 v1(7758.89,4251.79) ; v1(8059,4220) 8092.47,4220 8093.01,4219.46 R4H.2@8117,4219.46 R4H.2@8116.73,4219.73 ; R4H.2@8120.02,4219.46 8145.26,4244.7 8145.26,4247.5 8210.59,4312.82 8297,4312.82 8379.66,4230.16 U2H.1@8379.66,4208.57
  Bottom Layer w10: v1(7758.89,4251.79) 7798.25,4251.79 7801.46,4255 7867.69,4255 7880.89,4241.79 TP3H.1@8008.89,4241.79 8037.21,4241.79 v1(8059,4220)
N_DI_3V3_compI: R4I.2 R7I.1 TP3I.1 U2I.1 U3I.15 | length 875.3
  Top Layer w10: U3I.15@6536.02,4795.02 6536.02,4871.14 6535.38,4871.79 R7I.1@6535.38,4895.77 6535.38,4940.28 v1(6536.89,4941.79) ; v1(6837,4910) 6870.47,4910 6871.01,4909.46 R4I.2@6895,4909.46 R4I.2@6894.73,4909.73 ; R4I.2@6898.02,4909.46 6923.26,4934.7 6923.26,4937.5 6988.59,5002.82 7075,5002.82 7157.66,4920.16 U2I.1@7157.66,4898.57
  Bottom Layer w10: v1(6536.89,4941.79) 6648.89,4941.79 6658.89,4931.79 TP3I.1@6786.89,4931.79 6815.21,4931.79 v1(6837,4910)
N_DI_3V3_compJ: R4J.2 R7J.1 TP3J.1 U2J.1 U3J.15 | length 875.3
  Top Layer w10: U3J.15@8323.02,4773.02 8323.02,4849.14 8322.38,4849.79 R7J.1@8322.38,4873.77 8322.38,4918.28 v1(8323.89,4919.79) ; v1(8624,4888) 8657.47,4888 8658.01,4887.46 R4J.2@8682,4887.46 R4J.2@8681.73,4887.73 ; R4J.2@8685.02,4887.46 8710.26,4912.7 8710.26,4915.5 8775.59,4980.82 8862,4980.82 8944.66,4898.16 U2J.1@8944.66,4876.57
  Bottom Layer w10: v1(8323.89,4919.79) 8435.89,4919.79 8445.89,4909.79 TP3J.1@8573.89,4909.79 8602.21,4909.79 v1(8624,4888)
N_DI_5V_compA: R10A.2 R11A.1 TP4A.1 U2A.2 U3A.14 | length 868.3
  Top Layer w10: U3A.14@6100.61,2136.49 6100.61,2250.52 6110.2,2260.11 6110.2,2281.45 6133.91,2305.15 6209.61,2305.15 v1(6223.92,2319.46) ; v1(6519.89,2285.79) R10A.2@6519.89,2239.38 6626.67,2239.38 6655.08,2210.98 U2A.2@6696.66,2210.98
  Bottom Layer w10: v1(6223.92,2319.46) 6278.25,2373.79 TP4A.1@6401.89,2373.79 6431.89,2373.79 v1(6519.89,2285.79)
N_DI_5V_compB: R10B.2 R11B.1 TP4B.1 U2B.2 U3B.14 | length 868.3
  Top Layer w10: U3B.14@7809.61,2156.49 7809.61,2270.52 7819.2,2280.11 7819.2,2301.45 7842.91,2325.15 7918.61,2325.15 v1(7932.92,2339.46) ; v1(8228.89,2305.79) R10B.2@8228.89,2259.38 8335.67,2259.38 8364.08,2230.98 U2B.2@8405.66,2230.98
  Bottom Layer w10: v1(7932.92,2339.46) 7987.25,2393.79 TP4B.1@8110.89,2393.79 8140.89,2393.79 v1(8228.89,2305.79)